# KiCad board novapcb-layout-v1.1.kicad_pcb
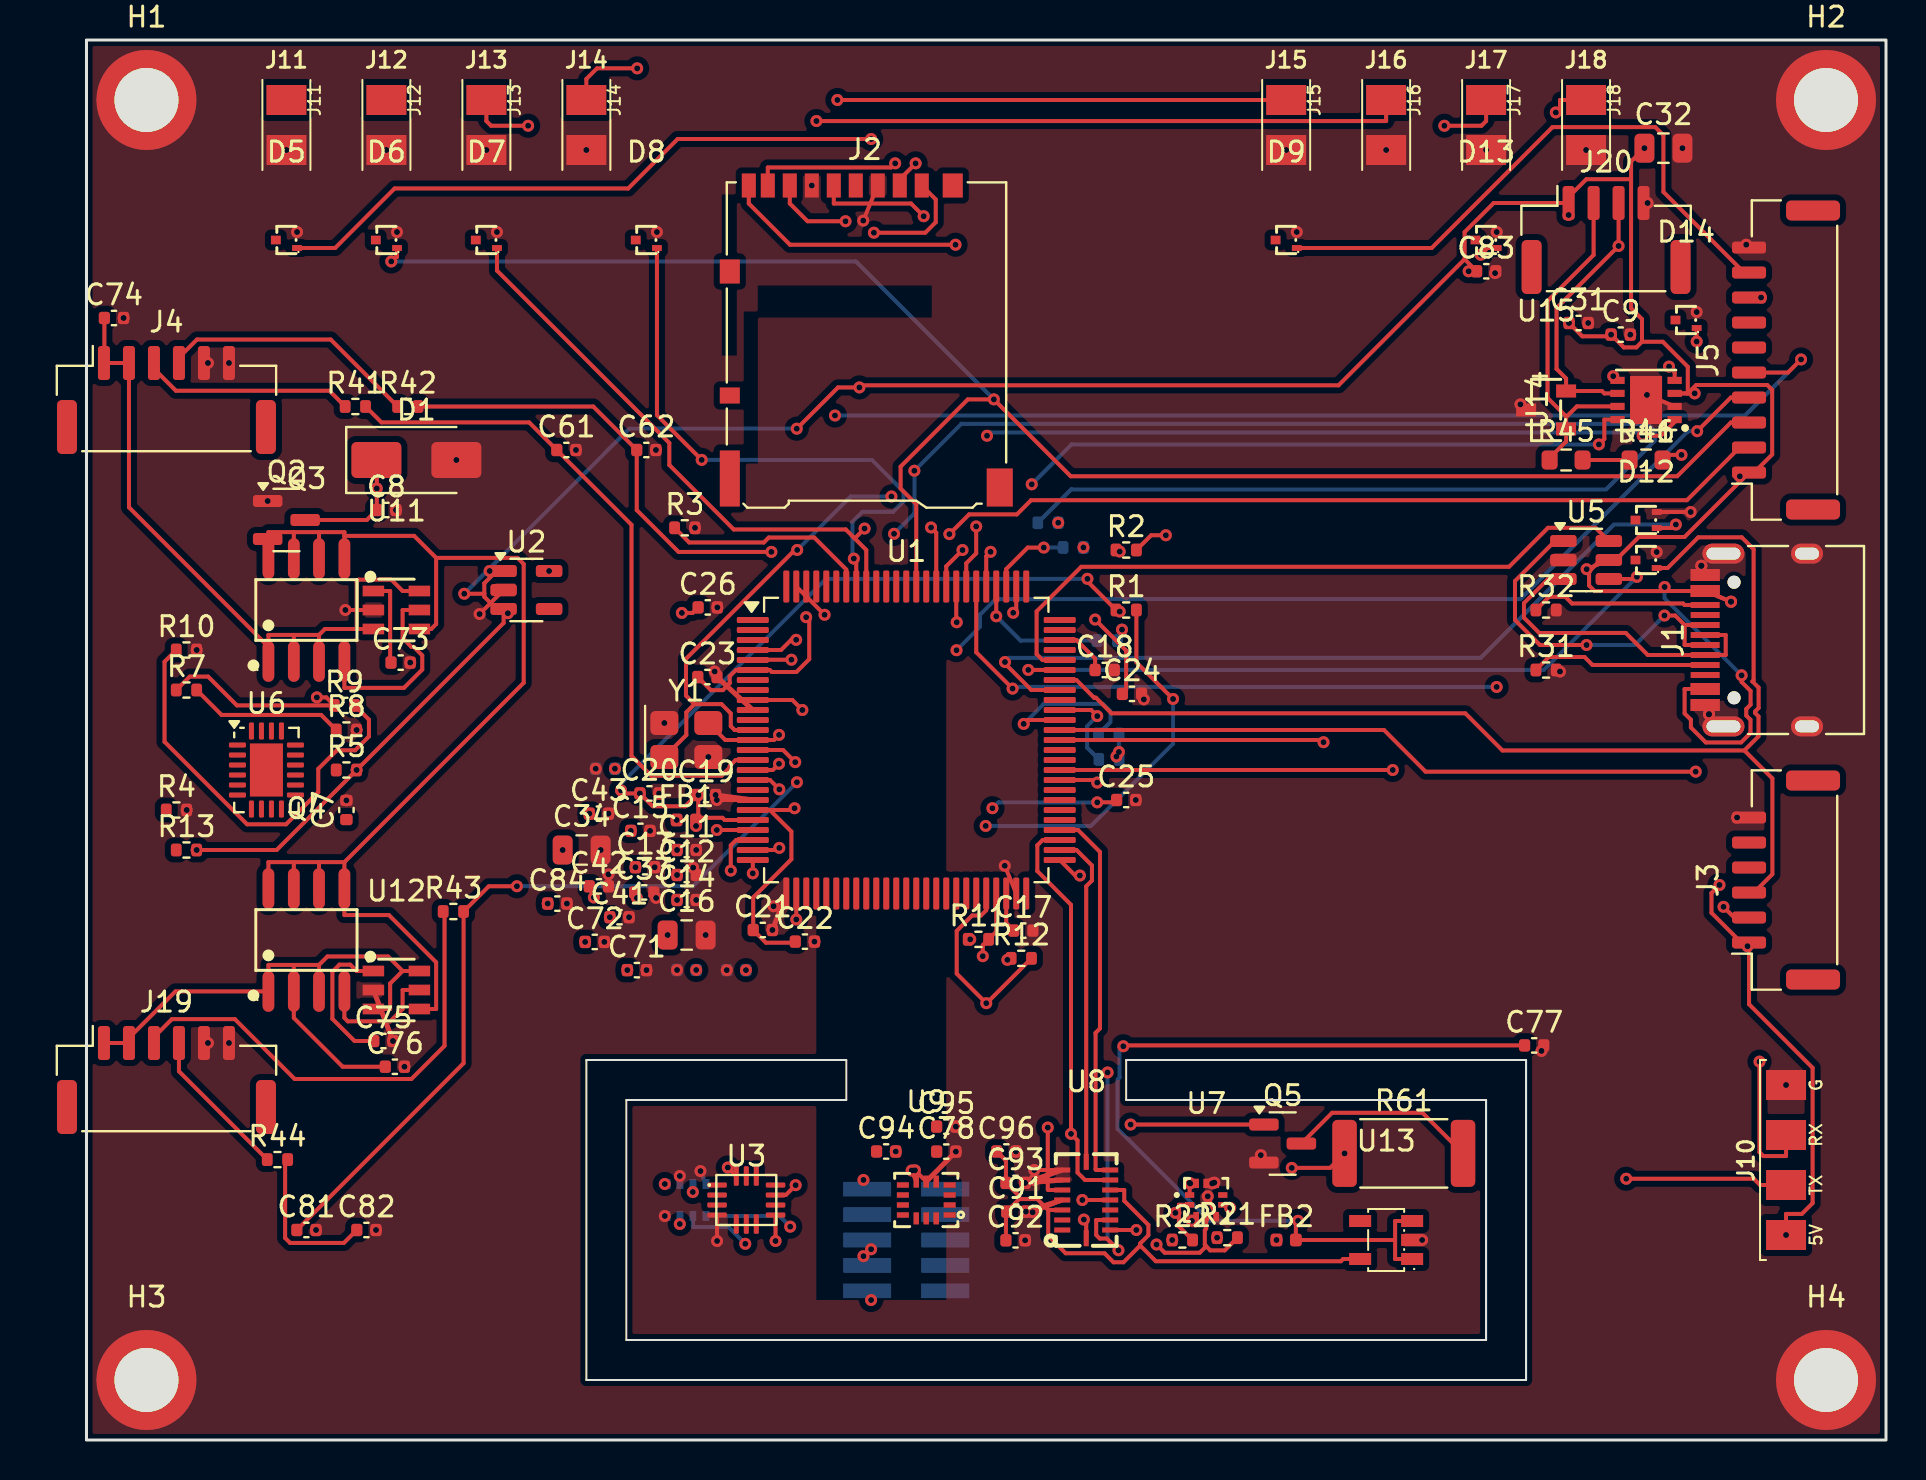
[diagram p0: board, top side]
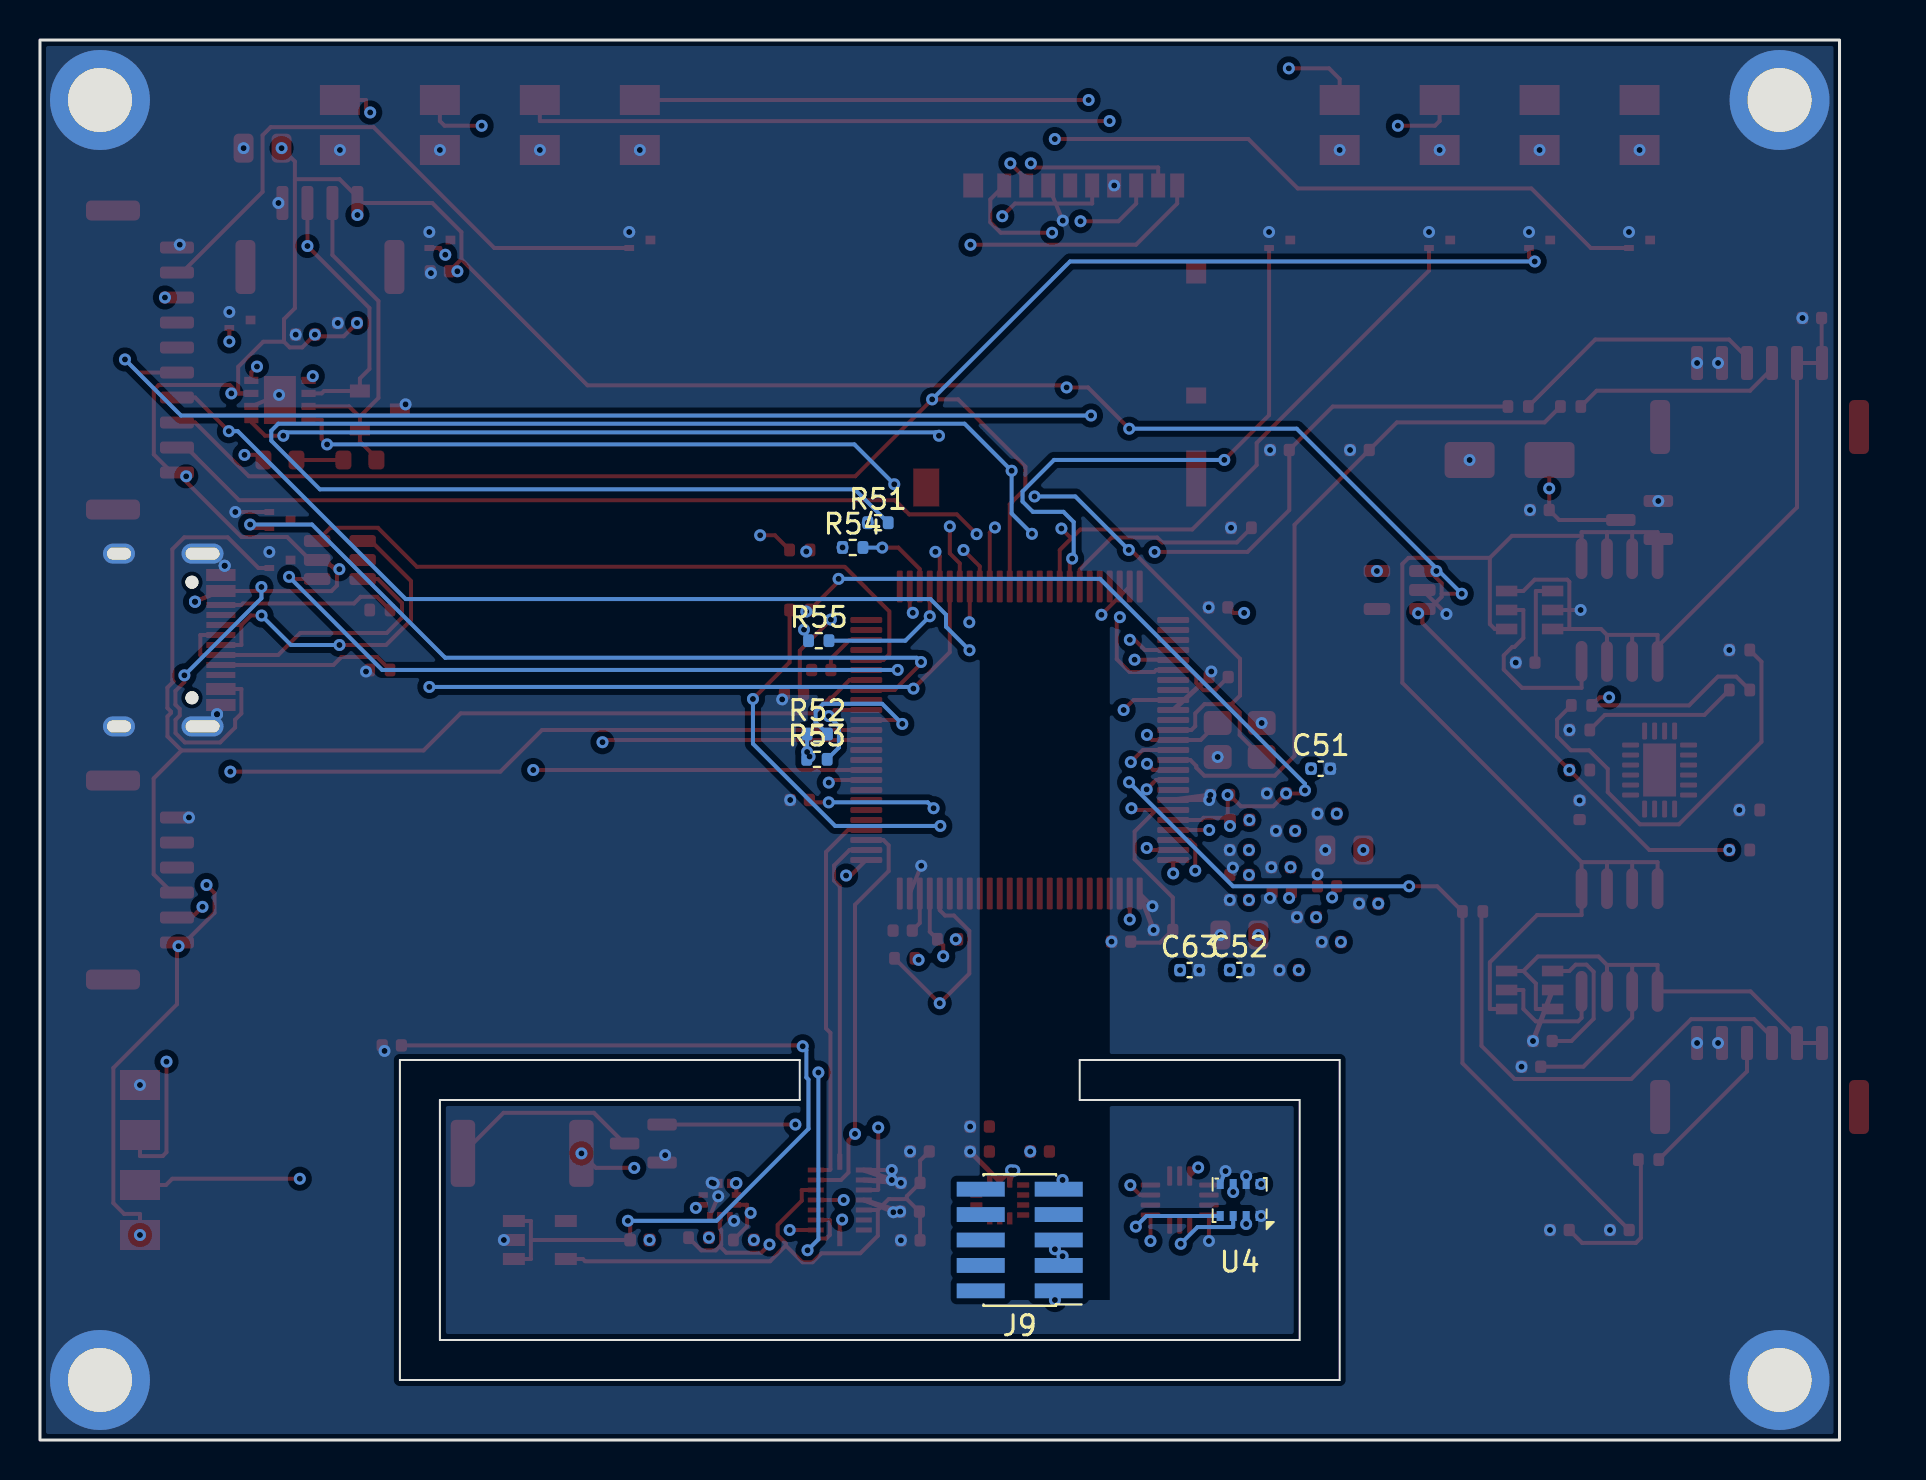
[diagram p1: board, bottom side, seen from below]

Outline 90 x 70 mm; copper layers: Top, In1.Cu, In2.Cu, In3.Cu, In4.Cu, Bottom. Coordinates in mm from the lower left corner of the outline.
Outline path: rectangle 0,70 90,0 ; 25,19 38,19 38,17 27,17 27,5 70,5 70,17 52,17 52,19 72,19 72,3 25,3 25,19

## Placement (name value [footprint] x y rotation side)
C7  100nF  [C_0402_1005Metric]  13 31.5 90 top
C8  100nF  [C_0402_1005Metric]  15 46.5 0 top
C9  1uF  [C_0402_1005Metric]  76.73 55.27 0 top
C11  100nF  [C_0402_1005Metric]  30.02 29.5 0 top
C12  100nF  [C_0402_1005Metric]  30.02 28.25 0 top
C13  100nF  [C_0402_1005Metric]  27.94 28.64 0 top
C14  100nF  [C_0402_1005Metric]  30.02 27 0 top
C15  100nF  [C_0402_1005Metric]  27.71 30.46 0 top
C16  4.7uF  [C_0805_2012Metric]  30.02 25.25 0 top
C17  2.2uF  [C_0402_1005Metric]  46.85 25.47 0 top
C18  2.2uF  [C_0402_1005Metric]  50.92 38.5 0 top
C19  100nF  [C_0402_1005Metric]  30.98 32.25 0 top
C20  1uF  [C_0402_1005Metric]  28.16 32.33 0 top
C21  100nF  [C_0402_1005Metric]  33.83 25.5 0 top
C22  1uF  [C_0402_1005Metric]  35.93 24.92 0 top
C23  100nF  [C_0402_1005Metric]  31.05 38.15 0 top
C24  18pF  [C_0402_1005Metric]  52.29 37.31 0 top
C25  18pF  [C_0402_1005Metric]  52 32 0 top
C26  100nF  [C_0402_1005Metric]  31.07 41.63 0 top
C31  1uF  [C_0402_1005Metric]  74.62 55.85 0 top
C32  4.7uF  [C_0805_2012Metric]  78.87 64.59 0 top
C33  1uF  [C_0402_1005Metric]  27.89 27.38 0 top
C34  4.7uF  [C_0805_2012Metric]  24.77 29.5 0 top
C41  100nF  [C_0402_1005Metric]  26.66 26.14 0 top
C42  100nF  [C_0402_1005Metric]  25.63 27.68 0 top
C43  2.2uF  [C_0402_1005Metric]  25.63 31.32 0 top
C51  100nF  [C_0402_1005Metric]  25.95 33.57 180 bottom
C52  100nF  [C_0402_1005Metric]  30.02 23.5 180 bottom
C61  100nF  [C_0402_1005Metric]  24 49.5 0 top
C62  100nF  [C_0402_1005Metric]  28 49.5 0 top
C63  100nF  [C_0402_1005Metric]  32.5 23.49 180 bottom
C71  100nF  [C_0402_1005Metric]  27.53 23.49 0 top
C72  100nF  [C_0402_1005Metric]  25.42 24.9 0 top
C73  1uF  [C_0402_1005Metric]  15.71 38.87 0 top
C74  100nF  [C_0402_1005Metric]  1.38 56.1 0 top
C75  1uF  [C_0402_1005Metric]  14.85 19.95 0 top
C76  100nF  [C_0402_1005Metric]  15.42 18.66 0 top
C77  1uF  [C_0402_1005Metric]  72.4 19.73 0 top
C78  1uF  [C_0402_1005Metric]  43 14.42 0 top
C81  100nF  [C_0402_1005Metric]  11 10.5 0 top
C82  100nF  [C_0402_1005Metric]  14 10.5 0 top
C83  100nF  [C_0402_1005Metric]  70.01 58.44 0 top
C84  100nF  [C_0402_1005Metric]  23.55 26.82 0 top
C91  100nF  [C_0402_1005Metric]  46.5 11.42 0 top
C92  100nF  [C_0402_1005Metric]  46.46 9.98 0 top
C93  1uF  [C_0402_1005Metric]  46.46 12.86 0 top
C94  100nF  [C_0402_1005Metric]  39.99 14.43 0 top
C95  100nF  [C_0402_1005Metric]  43 15.67 0 top
C96  10nF  [C_0402_1005Metric]  46.01 14.43 0 top
D1  SMAJ6.0A  [D_SMA]  16.5 49 0 top
D5  ESD7L5.0DT5G  [SOT-723_L1.2-W0.8-P0.40-LS1.2-BR]  10 60 0 top
D6  ESD7L5.0DT5G  [SOT-723_L1.2-W0.8-P0.40-LS1.2-BR]  15 60 0 top
D7  ESD7L5.0DT5G  [SOT-723_L1.2-W0.8-P0.40-LS1.2-BR]  20 60 0 top
D8  ESD7L5.0DT5G  [SOT-723_L1.2-W0.8-P0.40-LS1.2-BR]  28 60 0 top
D9  ESD7L5.0DT5G  [SOT-723_L1.2-W0.8-P0.40-LS1.2-BR]  60 60 0 top
D11  ESD7L5.0DT5G  [SOT-723_L1.2-W0.8-P0.40-LS1.2-BR]  78 46 0 top
D12  ESD7L5.0DT5G  [SOT-723_L1.2-W0.8-P0.40-LS1.2-BR]  78 44 0 top
D13  ESD7L5.0DT5G  [SOT-723_L1.2-W0.8-P0.40-LS1.2-BR]  70 60 0 top
D14  ESD7L5.0DT5G  [SOT-723_L1.2-W0.8-P0.40-LS1.2-BR]  80 56 0 top
FB1  600R@100MHz  [L_0402_1005Metric]  30 31 0 top
FB2  600R@100MHz  [L_0402_1005Metric]  60 10 0 top
H1  M3_GND  [MountingHole_3.2mm_M3_Pad]  3 67 0 top
H2  M3_GND  [MountingHole_3.2mm_M3_Pad]  87 67 0 top
H3  M3_GND  [MountingHole_3.2mm_M3_Pad]  3 3 0 top
H4  M3_GND  [MountingHole_3.2mm_M3_Pad]  87 3 0 top
J1  USB-C_2.0  [USB_C_Receptacle_HRO_TYPE-C-31-M-12]  85 40 90 top
J2  microSD_DM3AT  [microSD_HC_Hirose_DM3AT-SF-PEJM5]  39 55 0 top
J3  TELEM_6P  [JST_GH_SM06B-GHS-TB_1x06-1MP_P1.25mm_Horizontal]  85 28 90 top
J4  MAUCH_6P  [JST_GH_SM06B-GHS-TB_1x06-1MP_P1.25mm_Horizontal]  4 52 0 top
J5  GPS_MAG_10P  [JST_GH_SM10B-GHS-TB_1x10-1MP_P1.25mm_Horizontal]  85 54 90 top
J9  SWD_10P  [PinHeader_2x05_P1.27mm_Vertical_SMD]  41 10 0 bottom
J10  -  [CRSF_solder_pad]  85 14 90 top
J11  -  [ESC_solder_pad]  10 67 0 top
J12  -  [ESC_solder_pad]  15 67 0 top
J13  -  [ESC_solder_pad]  20 67 0 top
J14  -  [ESC_solder_pad]  25 67 0 top
J15  -  [ESC_solder_pad]  60 67 0 top
J16  -  [ESC_solder_pad]  65 67 0 top
J17  -  [ESC_solder_pad]  70 67 0 top
J18  -  [ESC_solder_pad]  75 67 0 top
J19  MAUCH2_6P  [JST_GH_SM06B-GHS-TB_1x06-1MP_P1.25mm_Horizontal]  4 18 0 top
J20  CAN_4P  [JST_GH_SM04B-GHS-TB_1x04-1MP_P1.25mm_Horizontal]  76 60 0 top
Q2  AO3401A  [SOT-23]  10 46 0 top
Q3  AO4262E  [SOIC-8_L4.9-W3.9-P1.27-LS6.0-BL]  11 41.5 0 top
Q4  AO4262E  [SOIC-8_L4.9-W3.9-P1.27-LS6.0-BL]  11 25 0 top
Q5  AO3400A  [SOT-23]  59.82 14.82 0 top
R1  0R  [R_0402_1005Metric]  52 41.5 0 top
R2  0R  [R_0402_1005Metric]  52 44.5 0 top
R3  10k  [R_0402_1005Metric]  29.92 45.61 0 top
R4  42.2k  [R_0402_1005Metric]  4.5 31.5 0 top
R5  10k  [R_0402_1005Metric]  13 33.5 0 top
R7  30.1k  [R_0402_1005Metric]  5 37.5 0 top
R8  10k  [R_0402_1005Metric]  13 35.5 0 top
R9  51k  [R_0402_1005Metric]  12.9 36.73 0 top
R10  10k  [R_0402_1005Metric]  5 39.5 0 top
R11  4.7k  [R_0402_1005Metric]  44.61 25.03 0 top
R12  4.7k  [R_0402_1005Metric]  46.75 24.08 0 top
R13  10k  [R_0402_1005Metric]  5 29.5 0 top
R21  4.7k  [R_0402_1005Metric]  57.05 10.12 0 top
R22  4.7k  [R_0402_1005Metric]  54.81 10 0 top
R31  5.1k  [R_0402_1005Metric]  73 38.5 0 top
R32  5.1k  [R_0402_1005Metric]  73 41.5 0 top
R41  1k  [R_0402_1005Metric]  13.45 51.67 0 top
R42  1k  [R_0402_1005Metric]  16.07 51.67 0 top
R43  1k  [R_0402_1005Metric]  18.35 26.42 0 top
R44  1k  [R_0402_1005Metric]  9.55 14.02 0 top
R45  120R  [R_0603_1608Metric]  74 49 0 top
R46  0R  [R_0603_1608Metric]  78 49 0 top
R51  47k  [R_0402_1005Metric]  48.09 45.86 180 bottom
R52  47k  [R_0402_1005Metric]  51.12 35.3 180 bottom
R53  47k  [R_0402_1005Metric]  51.14 34.03 180 bottom
R54  47k  [R_0402_1005Metric]  49.35 44.63 180 bottom
R55  47k  [R_0402_1005Metric]  51.05 39.97 180 bottom
R61  TBD_SIM_OUT  [R_2512_6332Metric]  65.88 14.33 0 top
U1  STM32H743VITx  [LQFP-100_14x14mm_P0.5mm]  41 35 0 top
U2  AP2112K-3.3  [SOT-23-5]  22 42.5 0 top
U3  -  [ICM-42688-P_LGA-14_2.5x3mm_P0.5mm]  33 12 0 top
U4  DPS310  [Bosch_LGA-8_2x2.5mm_P0.65mm_ClockwisePinNumbering]  30 12 0 bottom
U5  USBLC6-2P6  [SOT-23-6]  75 44 0 top
U6  TPS25940A  [QFN-20-1EP_3x4mm_P0.5mm_EP1.65x2.65mm]  9 33.5 0 top
U7  LPS22HB  [HLGA-10L_LPS22HBTR]  56 12 0 top
U8  BMI088  [LGA-16_L4.5-W3.0-P0.50-BL]  50 12 0 top
U9  LSM6DSV16X  [LGA-14_L3.0-W2.5-P0.50-BR]  42 12 0 top
U11  LM74700-Q1  [SOT-23-6_L2.9-W1.6-P0.95-LS2.8-TL]  15.5 41.5 0 top
U12  LM74700-Q1  [SOT-23-6_L2.9-W1.6-P0.95-LS2.8-TL]  15.5 22.5 0 top
U13  LP5907MFX-3.3  [SOT-23-5_L3.0-W1.7-P0.95-LS2.8-BR]  65 10 0 top
U14  TJA1051TK/3  [HVSON-8_L3.0-W3.0-P0.65-BL-EP]  78 52 90 top
U15  PESD2CAN  [SOT-23-3_L2.9-W1.3-P1.90-LS2.4-BR]  73 51.5 0 top
Y1  8MHz  [Crystal_SMD_3225-4Pin_3.2x2.5mm]  30 35 0 top

## Library data of the parts
D5-D9 D11-D14 = -: LCSC Part: C605398
J10 = -: Datasheet: CRSF/ELRS solder-pad convention; ELRS RX wires solder direct; Description: CRSF solder pad array (4 pads: 5V/TX/RX/GND)
J11-J18 = -: Datasheet: MatekH743-bdshot reference convention; ESC wire solders direct to pad; Description: ESC motor output solder pad pair (2.0x1.5mm at 2.5mm pitch)
Q3 Q4 = -: LCSC Part: C431178
U3 = -: Datasheet: https://invensense.tdk.com/wp-content/uploads/2020/03/DS-000347-ICM-42688-P-v1.6.pdf
U7 = -: LCSC Part: C94049
U8 = -: LCSC Part: C194919
U9 = -: LCSC Part: C5267406
U11 U12 = -: LCSC Part: C2653623
U13 = -: LCSC Part: C80670
U14 = -: LCSC Part: C124020
U15 = -: LCSC Part: C75176

## Footprints (pads in the part's own frame, mm; a bottom-side part is the same pattern mirrored in y, then rotated)
Bosch_LGA-8_2x2.5mm_P0.65mm_ClockwisePinNumbering
  rect 0.35x0.5 smd: 1(-0.975,0.8) 2(-0.325,0.8) 3(0.325,0.8) 4(0.975,0.8) 5(0.975,-0.8) 6(0.325,-0.8) 7(-0.325,-0.8) 8(-0.975,-0.8)
C_0402_1005Metric
  rrect 0.56x0.62 smd: 1(-0.48,0) 2(0.48,0)
C_0805_2012Metric
  rrect 1x1.45 smd: 1(-0.95,0) 2(0.95,0)
CRSF_solder_pad
  rect 1.5x2 smd: 1(-3.75,0) 2(-1.25,0) 3(1.25,0) 4(3.75,0)
Crystal_SMD_3225-4Pin_3.2x2.5mm
  rrect 1.4x1.2 smd: 1(-1.1,-0.85) 2(1.1,-0.85) 3(1.1,0.85) 4(-1.1,0.85)
D_SMA
  rrect 2.5x1.8 smd: 1(-2,0) 2(2,0)
ESC_solder_pad
  rect 2x1.5 smd: 1(0,0) 2(0,-2.5)
HLGA-10L_LPS22HBTR
  rect 0.465x0.28 smd: 1(-0.83,0.25) 2(-0.83,-0.24) 6(0.83,-0.24) 7(0.83,0.25)
  rect 0.28x0.465 smd: 3(-0.5,-0.83) 4(0,-0.83) 5(0.5,-0.83) 8(0.5,0.83) 9(0,0.83) 10(-0.5,0.83)
HVSON-8_L3.0-W3.0-P0.65-BL-EP
  rect 0.356x0.711 smd: 1(-0.98,-1.43) 2(-0.32,-1.43) 3(0.33,-1.43) 4(0.98,-1.43) 5(0.98,1.43) 6(0.33,1.43) 7(-0.32,1.43) 8(-0.98,1.43)
  rect 2.4x1.6 smd: 9(0,0)
ICM-42688-P_LGA-14_2.5x3mm_P0.5mm
  rrect 0.975x0.25 smd: 1(-1.462,0.75) 2(-1.462,0.25) 3(-1.462,-0.25) 4(-1.462,-0.75) 8(1.462,-0.75) 9(1.462,-0.25) 10(1.462,0.25) 11(1.462,0.75)
  rrect 0.25x0.975 smd: 5(-0.5,-1.2) 6(0,-1.2) 7(0.5,-1.2) 12(0.5,1.2) 13(0,1.2) 14(-0.5,1.2)
JST_GH_SM04B-GHS-TB_1x04-1MP_P1.25mm_Horizontal
  rrect 0.6x1.7 smd: 1(-1.875,1.85) 2(-0.625,1.85) 3(0.625,1.85) 4(1.875,1.85)
  rrect 1x2.7 smd: MP(-3.725,-1.35) MP(3.725,-1.35)
JST_GH_SM06B-GHS-TB_1x06-1MP_P1.25mm_Horizontal
  rrect 0.6x1.7 smd: 1(-3.125,1.85) 2(-1.875,1.85) 3(-0.625,1.85) 4(0.625,1.85) 5(1.875,1.85) 6(3.125,1.85)
  rrect 1x2.7 smd: MP(-4.975,-1.35) MP(4.975,-1.35)
JST_GH_SM10B-GHS-TB_1x10-1MP_P1.25mm_Horizontal
  rrect 0.6x1.7 smd: 1(-5.625,1.85) 2(-4.375,1.85) 3(-3.125,1.85) 4(-1.875,1.85) 5(-0.625,1.85) 6(0.625,1.85) 7(1.875,1.85) 8(3.125,1.85) 9(4.375,1.85) 10(5.625,1.85)
  rrect 1x2.7 smd: MP(-7.475,-1.35) MP(7.475,-1.35)
L_0402_1005Metric
  rrect 0.59x0.64 smd: 1(-0.485,0) 2(0.485,0)
LGA-14_L3.0-W2.5-P0.50-BR
  rect 0.6x0.27 smd: 1(1.17,-0.75) 2(1.17,-0.25) 3(1.17,0.25) 4(1.17,0.75) 8(-1.17,0.75) 9(-1.17,0.25) 10(-1.17,-0.25) 11(-1.17,-0.75)
  rect 0.27x0.6 smd: 5(0.5,0.92) 6(0,0.92) 7(-0.5,0.92) 12(-0.5,-0.92) 13(0,-0.92) 14(0.5,-0.92)
LGA-16_L4.5-W3.0-P0.50-BL
  rect 0.8x0.25 smd: 1(-1.2,-1.5) 2(-1.2,-1) 3(-1.2,-0.5) 4(-1.2,0) 5(-1.2,0.5) 6(-1.2,1) 7(-1.2,1.5) 9(1.2,1.5) 10(1.2,1) 11(1.2,0.5) 12(1.2,0) 13(1.2,-0.5) 14(1.2,-1) 15(1.2,-1.5)
  rect 0.25x0.8 smd: 8(0,1.91) 16(0,-1.91)
LQFP-100_14x14mm_P0.5mm
  rrect 1.6x0.3 smd: 1(-7.675,6) 2(-7.675,5.5) 3(-7.675,5) 4(-7.675,4.5) 5(-7.675,4) 6(-7.675,3.5) 7(-7.675,3) 8(-7.675,2.5) 9(-7.675,2) 10(-7.675,1.5) 11(-7.675,1) 12(-7.675,0.5) 13(-7.675,0) 14(-7.675,-0.5) 15(-7.675,-1) 16(-7.675,-1.5) 17(-7.675,-2) 18(-7.675,-2.5) 19(-7.675,-3) 20(-7.675,-3.5) 21(-7.675,-4) 22(-7.675,-4.5) 23(-7.675,-5) 24(-7.675,-5.5) 25(-7.675,-6) 51(7.675,-6) 52(7.675,-5.5) 53(7.675,-5) 54(7.675,-4.5) 55(7.675,-4) 56(7.675,-3.5) 57(7.675,-3) 58(7.675,-2.5) 59(7.675,-2) 60(7.675,-1.5) 61(7.675,-1) 62(7.675,-0.5) 63(7.675,0) 64(7.675,0.5) 65(7.675,1) 66(7.675,1.5) 67(7.675,2) 68(7.675,2.5) 69(7.675,3) 70(7.675,3.5) 71(7.675,4) 72(7.675,4.5) 73(7.675,5) 74(7.675,5.5) 75(7.675,6)
  rrect 0.3x1.6 smd: 26(-6,-7.675) 27(-5.5,-7.675) 28(-5,-7.675) 29(-4.5,-7.675) 30(-4,-7.675) 31(-3.5,-7.675) 32(-3,-7.675) 33(-2.5,-7.675) 34(-2,-7.675) 35(-1.5,-7.675) 36(-1,-7.675) 37(-0.5,-7.675) 38(0,-7.675) 39(0.5,-7.675) 40(1,-7.675) 41(1.5,-7.675) 42(2,-7.675) 43(2.5,-7.675) 44(3,-7.675) 45(3.5,-7.675) 46(4,-7.675) 47(4.5,-7.675) 48(5,-7.675) 49(5.5,-7.675) 50(6,-7.675) 76(6,7.675) 77(5.5,7.675) 78(5,7.675) 79(4.5,7.675) 80(4,7.675) 81(3.5,7.675) 82(3,7.675) 83(2.5,7.675) 84(2,7.675) 85(1.5,7.675) 86(1,7.675) 87(0.5,7.675) 88(0,7.675) 89(-0.5,7.675) 90(-1,7.675) 91(-1.5,7.675) 92(-2,7.675) 93(-2.5,7.675) 94(-3,7.675) 95(-3.5,7.675) 96(-4,7.675) 97(-4.5,7.675) 98(-5,7.675) 99(-5.5,7.675) 100(-6,7.675)
microSD_HC_Hirose_DM3AT-SF-PEJM5
  rect 0.7x1.2 smd: 1(2.775,7.725) 2(1.675,7.725) 3(0.575,7.725) 4(-0.525,7.725) 5(-1.625,7.725) 6(-2.725,7.725) 7(-3.825,7.725) 8(-4.925,7.725) 9(-5.875,7.725)
  rect 1x0.8 smd: 10(-6.825,-2.775)
  rect 1x1.2 smd: 11(-6.825,3.425) 11(4.325,7.725)
  rect 1x2.8 smd: 11(-6.825,-6.925)
  rect 1.3x1.9 smd: 11(6.675,-7.375)
MountingHole_3.2mm_M3_Pad
  round 5 hole 3.2: 1(0,0)
PinHeader_2x05_P1.27mm_Vertical_SMD
  rect 2.4x0.74 smd: 1(-1.95,2.54) 2(1.95,2.54) 3(-1.95,1.27) 4(1.95,1.27) 5(-1.95,0) 6(1.95,0) 7(-1.95,-1.27) 8(1.95,-1.27) 9(-1.95,-2.54) 10(1.95,-2.54)
QFN-20-1EP_3x4mm_P0.5mm_EP1.65x2.65mm
  rrect 0.67x1.07 smd: (-0.41,0.66) (-0.41,-0.66) (0.41,0.66) (0.41,-0.66)
  rrect 0.85x0.25 smd: 1(-1.45,1.25) 2(-1.45,0.75) 3(-1.45,0.25) 4(-1.45,-0.25) 5(-1.45,-0.75) 6(-1.45,-1.25) 11(1.45,-1.25) 12(1.45,-0.75) 13(1.45,-0.25) 14(1.45,0.25) 15(1.45,0.75) 16(1.45,1.25)
  rrect 0.25x0.85 smd: 7(-0.75,-1.95) 8(-0.25,-1.95) 9(0.25,-1.95) 10(0.75,-1.95) 17(0.75,1.95) 18(0.25,1.95) 19(-0.25,1.95) 20(-0.75,1.95)
  rect 1.65x2.65 smd: 21(0,0)
R_0402_1005Metric
  rrect 0.54x0.64 smd: 1(-0.51,0) 2(0.51,0)
R_0603_1608Metric
  rrect 0.8x0.95 smd: 1(-0.825,0) 2(0.825,0)
R_2512_6332Metric
  rrect 1.225x3.35 smd: 1(-2.962,0) 2(2.962,0)
SOIC-8_L4.9-W3.9-P1.27-LS6.0-BL
  oval 0.588x2.045 smd: 1(-1.9,-2.57) 2(-0.63,-2.57) 3(0.63,-2.57) 4(1.9,-2.57) 5(1.9,2.57) 6(0.63,2.57) 7(-0.63,2.57) 8(-1.9,2.57)
SOT-23
  rrect 1.475x0.6 smd: 1(-0.938,0.95) 2(-0.938,-0.95) 3(0.938,0)
SOT-23-3_L2.9-W1.3-P1.90-LS2.4-BR
  rect 1x0.65 smd: 1(1,-0.95) 2(1,0.95) 3(-1,0)
SOT-23-5
  rrect 1.325x0.6 smd: 1(-1.137,0.95) 2(-1.137,0) 3(-1.137,-0.95) 4(1.137,-0.95) 5(1.137,0.95)
SOT-23-5_L3.0-W1.7-P0.95-LS2.8-BR
  rect 1.1x0.6 smd: 1(1.3,-0.95) 2(1.3,0) 3(1.3,0.95) 4(-1.3,0.95) 5(-1.3,-0.95)
SOT-23-6
  rrect 1.325x0.6 smd: 1(-1.137,0.95) 2(-1.137,0) 3(-1.137,-0.95) 4(1.137,-0.95) 5(1.137,0) 6(1.137,0.95)
SOT-23-6_L2.9-W1.6-P0.95-LS2.8-TL
  rect 1.072x0.532 smd: 1(-1.15,0.95) 2(-1.15,0) 3(-1.15,-0.95) 4(1.15,-0.95) 5(1.15,0) 6(1.15,0.95)
SOT-723_L1.2-W0.8-P0.40-LS1.2-BR
  rect 0.489x0.294 smd: 1(0.53,-0.4) 2(0.53,0.4)
  rect 0.489x0.434 smd: 3(-0.53,0)
USB_C_Receptacle_HRO_TYPE-C-31-M-12
  round 0.65 hole 0.65 unplated: (-2.89,2.6) (2.89,2.6)
  rect 0.6x1.45 smd: A1(-3.25,4.045) A4(-2.45,4.045) A9(2.45,4.045) A12(3.25,4.045) B1(3.25,4.045) B4(2.45,4.045) B9(-2.45,4.045) B12(-3.25,4.045)
  rect 0.3x1.45 smd: A5(-1.25,4.045) A6(-0.25,4.045) A7(0.25,4.045) A8(1.25,4.045) B5(1.75,4.045) B6(0.75,4.045) B7(-0.75,4.045) B8(-1.75,4.045)
  oval 1x2.1 hole 0.6x1.7: S1(-4.32,3.13) S1(4.32,3.13)
  oval 1x1.6 hole 0.6x1.2: S1(-4.32,-1.05) S1(4.32,-1.05)
